# Allegro board 6089-119-RevB_08.brd (continued)
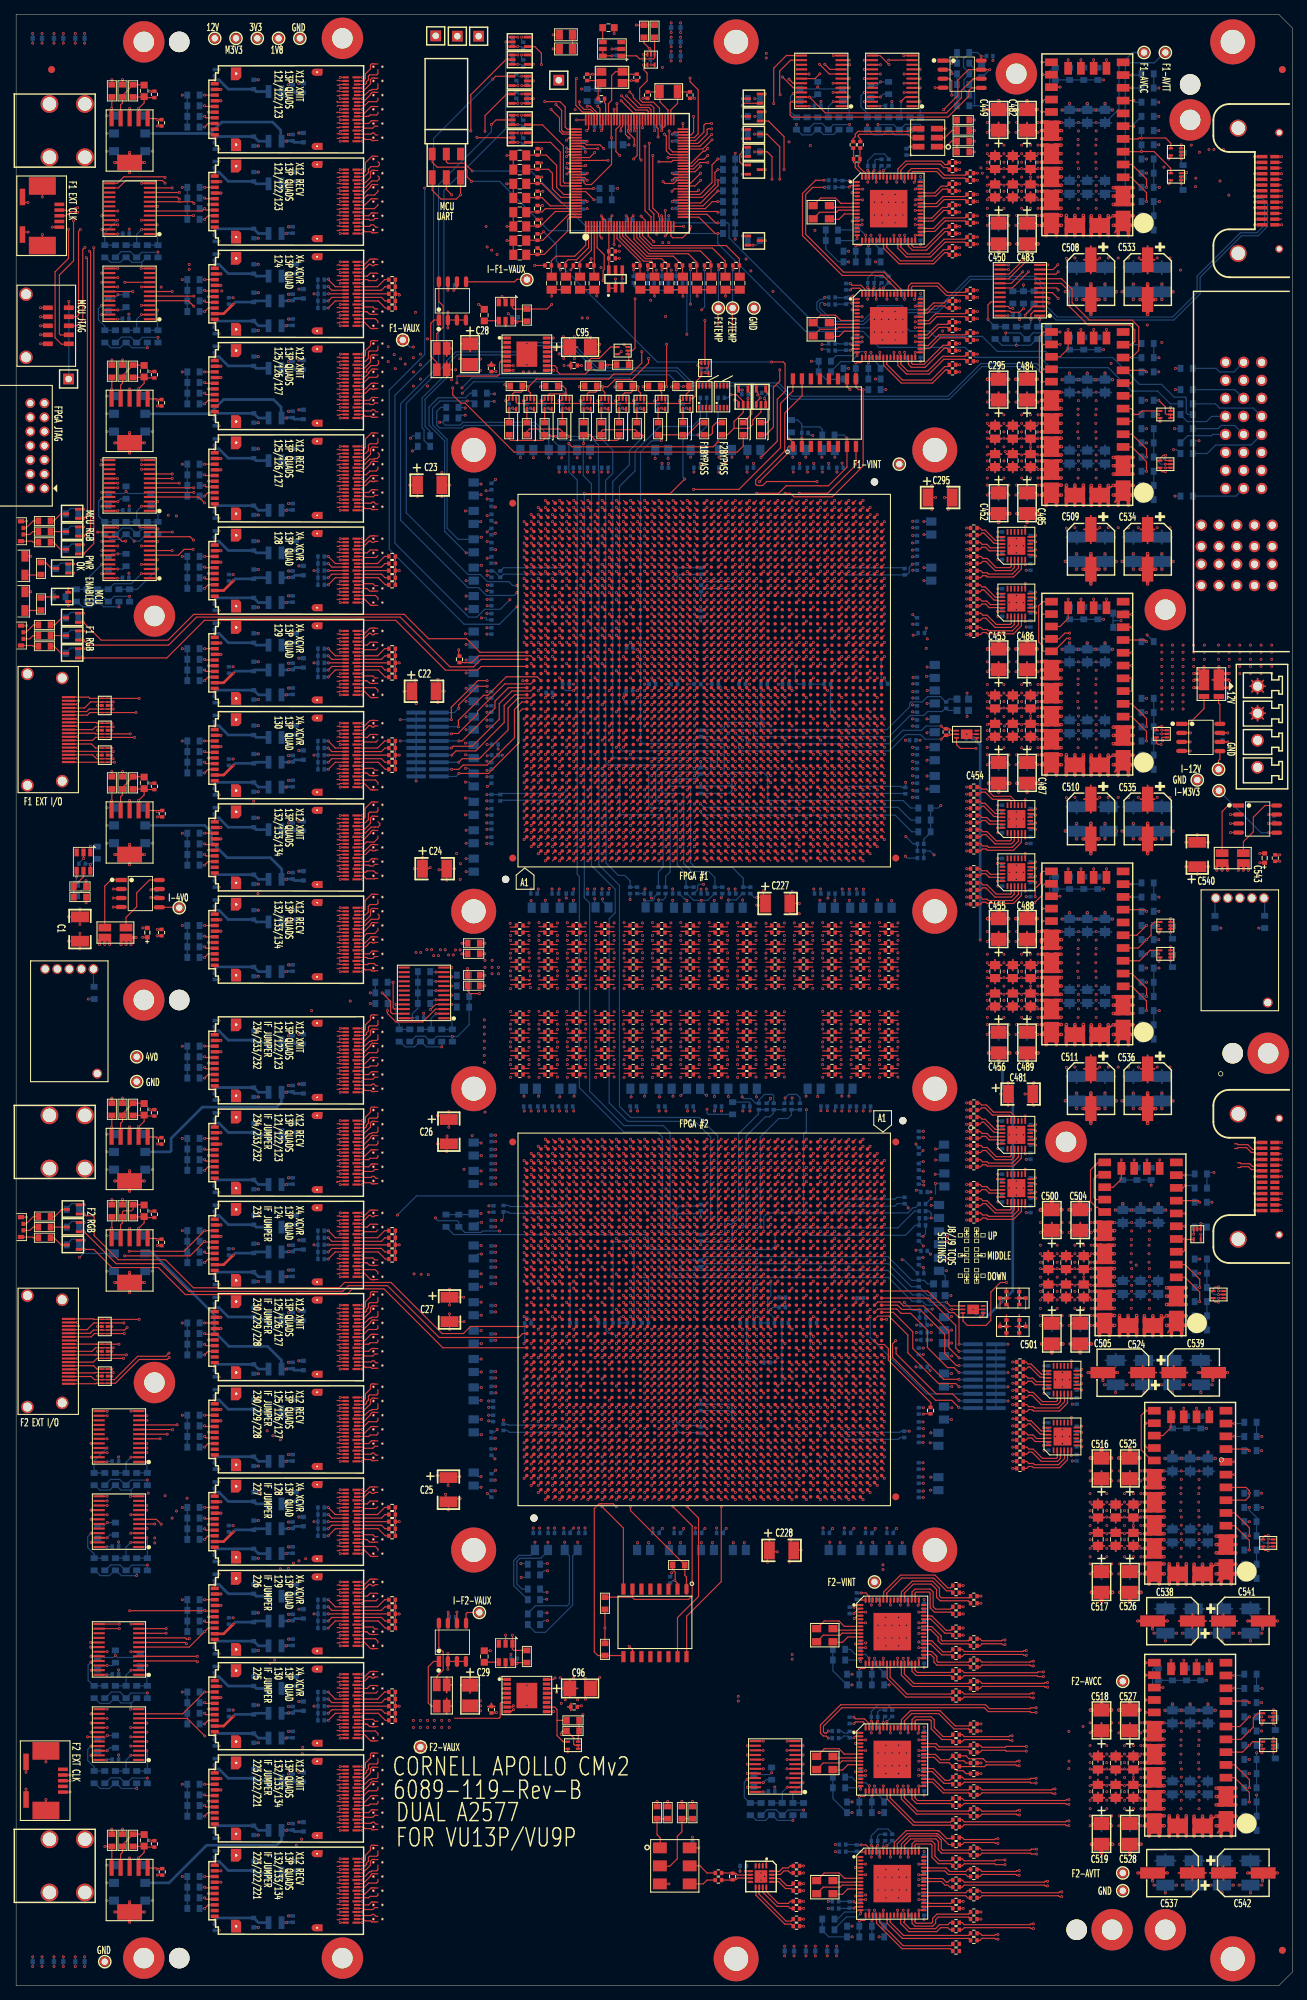
[diagram p0: board, top side]
## Routing (per net, layer and track width the routed paths; a pad name or vN(x,y) marks a point on that pad's centre or on a via; arc(x,y) is an arc through that point) (continued)
/F1_CFG_DONE: length 12.3
  TOP w0.165: U68.62 95.15,260.8 95.5,261.15 v1(95.5,263.4) ; Q13.3 v1(102.4,263.4)
  SIG3 w0.079: v1(95.5,263.4) v1(102.4,263.4)
  BOTTOM w0.165: R402.2 v1(102.4,263.4)
/F1_FF1_RECV_INT: length 24.9
  TOP w0.165: U25.5 26.67,251.8 v1(26.57,251.9) ; v1(25.05,236.65) 24.27,237.43 U15.5
  SIG1 w0.079: v1(26.57,251.9) 26.55,251.9 25.85,251.2 25.85,242.55 24.68,241.38 24.68,237.02 v1(25.05,236.65)
  BOTTOM w0.165: R543.1 v1(26.57,251.9)
/F1_FF1_RECV_PRESENT: length 27.9
  TOP w0.165: 13.2,241.32 v1(12.07,241.32) ; U25.3 v1(26.57,253.4)
  SIG1 w0.079: v1(24.4,242.55) 24.4,251.05 26.57,253.22 v1(26.57,253.4)
  SIG3 w0.079: v1(12.07,241.32) 13.29,242.55 v1(24.4,242.55)
  BOTTOM w0.165: R542.1 v1(26.57,253.4)
/F1_FF1_XMIT_INT: length 35.8
  TOP w0.165: v1(26.57,264.9) 26.67,264.8 U24.5 ; U15.4 v1(17.67,236.78)
  SIG2 w0.079: v1(26.57,264.9) 16.85,255.18 16.85,238.85 16.84,238.84 16.84,237.6 v1(17.67,236.78)
  BOTTOM w0.165: R539.1 v1(26.57,264.9)
/F1_FF1_XMIT_PRESENT: length 32.8
  TOP w0.165: U15.13 v1(14.33,241.97) ; U24.3 v1(26.57,266.4)
  SIG2 w0.079: v1(14.33,241.97) 16.3,243.94 16.3,255.25 16.75,255.7 16.75,256.58 v1(26.57,266.4)
  BOTTOM w0.165: R538.1 v1(26.57,266.4)
/F1_FF2_RECV_INT: length 33.1
  TOP w0.165: v1(26.57,212.9) 26.67,212.8 U28.5 ; U15.7 v1(22,238.72)
  SIG2 w0.079: v1(22,238.72) 22.65,238.07 22.65,216.75 26.5,212.9 v1(26.57,212.9)
  BOTTOM w0.165: R555.1 v1(26.57,212.9)
/F1_FF2_RECV_PRESENT: length 46.6
  TOP w0.165: U28.3 v1(26.57,214.4) ; U15.16 v1(12.07,240.03)
  SIG2 w0.079: v1(26.57,214.4) 27.5,215.33 27.5,237.3 v1(29,238.8)
  SIG3 w0.079: v1(29,238.8) 28.2,239.6 22.55,239.6 21.6,240.55 15.1,240.55 14.55,240 12.09,240 v1(12.07,240.03)
  BOTTOM w0.165: R554.1 v1(26.57,214.4)
/F1_FF2_XMIT_INT: length 21.7
  TOP w0.165: v1(26.57,225.9) 26.67,225.8 U27.5 ; U15.6 v1(25.05,238.07)
  SIG2 w0.079: v1(25.05,238.07) 24.52,237.55 24.52,236.32 25.8,235.05 25.8,226.67 v1(26.57,225.9)
  BOTTOM w0.165: R551.1 v1(26.57,225.9)
/F1_FF2_XMIT_PRESENT: length 29.2
  TOP w0.165: U27.3 v1(26.57,227.4) ; U15.15 v1(14.33,240.68)
  SIG2 w0.079: v1(26.57,227.4) 26.57,234.88 25.5,235.95 25.5,240.75 v1(24.4,241.85)
  SIG3 w0.079: v1(14.33,240.68) 15.01,241.35 23.9,241.35 v1(24.4,241.85)
  BOTTOM w0.165: R550.1 v1(26.57,227.4)
/F1_FF3_RECV_INT: length 107.1
  TOP w0.165: v1(26.57,147.9) 26.67,147.8 U33.5 ; U15.9 v1(15.32,240.03)
  SIG2 w0.079: v1(15.32,240.03) 14,240.03 13.55,239.57 13.55,229.7 14.7,228.55 14.7,216.5 13.75,215.55 13.75,181.36 14.35,180.76 14.35,157.3 23.75,147.9 v1(26.57,147.9)
  BOTTOM w0.165: R575.1 v1(26.57,147.9)
/F1_FF3_RECV_PRESENT: length 100
  TOP w0.165: U33.3 v1(26.57,149.4) ; U15.18 v1(16.45,238.72)
  SIG2 w0.079: v1(26.57,149.4) 26.57,152.33 16.6,162.3 16.6,170.25 15.15,171.7 15.15,203.33 15.08,203.4 15.08,203.7 15.15,203.77 15.15,212.45 16.45,213.75 v1(16.45,238.72)
  BOTTOM w0.165: R574.1 v1(26.57,149.4)
/F1_FF3_XMIT_INT: length 86.4
  TOP w0.165: v1(26.57,160.9) 26.67,160.8 U32.5 ; U15.8 v1(17.67,239.38)
  SIG2 w0.079: v1(26.57,160.9) 20.95,166.52 20.95,179.85 17.38,183.42 17.38,197.53 18.43,198.58 18.43,229.52 18.04,229.91 18.04,239.11 17.77,239.38 v1(17.67,239.38)
  BOTTOM w0.165: R571.1 v1(26.57,160.9)
/F1_FF3_XMIT_PRESENT: length 89.2
  TOP w0.165: U32.3 v1(26.57,162.4) ; U15.17 v1(14.33,239.38)
  SIG2 w0.079: v1(26.57,162.4) 21.7,167.27 21.7,200 20.45,201.25 v1(20.45,239.35)
  SIG3 w0.079: v1(20.45,239.35) 20.11,239.01 17.52,239.01 17.15,239.38 v1(14.33,239.38)
  BOTTOM w0.165: R570.1 v1(26.57,162.4)
/F1_FF4_XCVR_INT: length 46.2
  TOP w0.165: U18.4 v1(17.67,200.28) ; v1(26.57,238.9) 26.67,238.8 U26.5
  SIG1 w0.079: v1(26.57,238.9) 26.57,238.82 26,238.25 26,207.7 18.58,200.28 v1(17.67,200.28)
  BOTTOM w0.165: R547.1 v1(26.57,238.9)
/F1_FF4_XCVR_PRESENT: length 46.3
  TOP w0.165: U26.3 v1(26.57,240.4) ; U18.8 v1(17.67,202.88)
  SIG1 w0.079: v1(17.67,202.88) 17.74,202.8 20.6,202.8 25.55,207.75 25.55,239.45 26.5,240.4 v1(26.57,240.4)
  BOTTOM w0.165: R546.1 v1(26.57,240.4)
/F1_FF5_XCVR_INT: length 10.4
  TOP w0.165: U29.5 26.67,199.8 v1(26.57,199.9) ; U18.5 v1(19.93,200.93)
  SIG3 w0.079: v1(19.93,200.93) 25.55,200.93 v1(26.57,199.9)
  BOTTOM w0.165: R559.1 v1(26.57,199.9)
/F1_FF5_XCVR_PRESENT: length 10.8
  TOP w0.165: U18.9 v1(19.93,203.53) ; U29.3 v1(26.57,201.4)
  SIG3 w0.079: v1(26.57,201.4) 24.45,203.53 v1(19.93,203.53)
  BOTTOM w0.165: R558.1 v1(26.57,201.4)
/F1_FF6_XCVR_INT: length 24.8
  TOP w0.165: v1(24.95,202.4) 23.7,202.4 22.88,201.57 U18.6 ; U30.5 26.67,186.8 v1(26.57,186.9)
  SIG2 w0.079: v1(24.95,202.4) 25.15,202.2 25.15,188.32 v1(26.57,186.9)
  BOTTOM w0.165: R563.1 v1(26.57,186.9)
/F1_FF6_XCVR_PRESENT: length 24.5
  TOP w0.165: U18.10 24.52,204.18 v1(25,203.7) ; U30.3 v1(26.57,188.4)
  SIG2 w0.079: v1(26.57,188.4) 25.45,189.52 25.45,203.25 v1(25,203.7)
  BOTTOM w0.165: R562.1 v1(26.57,188.4)
/F1_FF7_XCVR_INT: length 35.6
  TOP w0.165: v1(26.57,173.9) 26.67,173.8 U31.5 ; U18.7 v1(22,202.22)
  SIG2 w0.079: v1(26.57,173.9) 26.57,173.93 23.08,177.42 23.08,201.14 v1(22,202.22)
  BOTTOM w0.165: R567.1 v1(26.57,173.9)
/F1_FF7_XCVR_PRESENT: length 36.7
  TOP w0.165: 18.8,204.82 v1(22.02,204.82) ; U31.3 v1(26.57,175.4)
  SIG2 w0.079: v1(22.02,204.82) 23.8,203.05 23.8,178.17 v1(26.57,175.4)
  BOTTOM w0.165: R566.1 v1(26.57,175.4)
/F1_FF_RESET: length 143.1
  TOP w0.165: U29.6 v1(27.13,199) ; U30.6 v1(27.13,186) ; U32.6 v1(27.13,160) ; U28.6 v1(27.13,212) ; U24.6 v1(27.13,264) ; U26.6 v1(27.13,238) ; U25.6 v1(27.13,251) ; U33.6 v1(27.13,147) ; U31.6 v1(27.13,173) ; U18.13 v1(14.33,205.47) ; U27.6 v1(27.13,225)
  SIG1 w0.079: v1(27.13,264) v1(27.13,251) v1(27.13,238) v1(27.13,225) v1(27.13,212) v1(27.13,199) v1(27.13,186) v1(27.13,173) v1(27.13,160) v1(27.13,147)
  SIG4 w0.079: v1(14.33,205.47) 16.1,203.71 16.1,202.45 19.55,199 v1(27.13,199)
/F1_INSTALLED: length 153.6
  TOP w0.165: U68.118 81.35,253.2 v1(81.4,253.25) ; U75.Y6 v1(90.61,163.51)
  SIG3 w0.079: v1(81.4,253.25) 57.65,253.25 v1(57.6,253.3)
  SIG4 w0.079: v1(90.61,163.51) 90.59,163.51 90.2,163.9 90.2,176.5 89.7,177 75.35,177 75,177.35 75,193.45 74.65,193.8 71.1,193.8 v1(70.6,194.3)
  BOTTOM w0.165: R454.1 v1(81.4,253.25) ; v1(70.6,194.3) 68.15,191.85 63.15,191.85 52.6,202.4 52.6,224.85 57.6,229.85 v1(57.6,253.3)
/F2_CFG_DONE: length 18.1
  TOP w0.165: U68.71 90.3,261.9 90.5,261.7 v1(90.5,260.5) ; Q12.3 v1(102.4,265.9)
  SIG2 w0.079: v1(90.5,260.5) 93.2,260.5 98.6,265.9 v1(102.4,265.9)
  BOTTOM w0.165: R401.2 v1(102.4,265.9)
/F2_FF1_RECV_INT: length 60.2
  TOP w0.165: U35.5 26.67,117.8 v1(26.57,117.9) ; 17.3,64.42 v1(18.45,64.42)
  SIG1 w0.079: v1(18.45,64.42) 19,64.97 19,67.8 19.85,68.65 19.85,79.85 22.75,82.75 22.75,114.08 v1(26.57,117.9)
  BOTTOM w0.165: R583.1 v1(26.57,117.9)
/F2_FF1_RECV_PRESENT: length 62.9
  TOP w0.165: U10.14 v1(12.83,68.33) ; U35.3 v1(26.57,119.4)
  SIG1 w0.079: v1(26.57,119.4) 26.57,119.22 22.15,114.8 22.15,82.75 19.45,80.05 19.45,70.2 18.65,69.4 18.65,69.42 v1(18.63,69.42)
  SIG3 w0.079: v1(18.63,69.42) 18.65,69.42 18.65,69.4 13.91,69.4 v1(12.83,68.33)
  BOTTOM w0.165: R582.1 v1(26.57,119.4)
/F2_FF1_XMIT_INT: length 75.2
  TOP w0.165: v1(26.57,130.9) 26.67,130.8 U34.5 ; U10.4 v1(16.17,63.77)
  SIG1 w0.079: v1(16.17,63.77) 16.55,64.16 16.55,74.31 16.57,74.32 16.57,74.63 16.55,74.64 16.55,121.7 25.75,130.9 v1(26.57,130.9)
  BOTTOM w0.165: R579.1 v1(26.57,130.9)
/F2_FF1_XMIT_PRESENT: length 72.4
  TOP w0.165: U34.3 v1(26.57,132.4) ; U10.13 v1(12.83,68.97)
  SIG1 w0.079: v1(26.57,132.4) 26.5,132.4 14.45,120.35 14.45,90.87 14.13,90.55 14.13,74.68 14.11,74.65 14.11,74.37 14.13,74.34 14.13,70.28 v1(12.83,68.97)
  BOTTOM w0.165: R578.1 v1(26.57,132.4)
/F2_FF2_RECV_INT: length 22.8
  TOP w0.165: U38.5 26.67,78.8 v1(26.57,78.9) ; 17.3,65.72 19.77,65.72 v1(20.45,65.05)
  SIG1 w0.079: v1(26.57,78.9) 26.55,78.9 26.05,78.4 26.05,69.3 22,65.25 20.65,65.25 v1(20.45,65.05)
  BOTTOM w0.165: R595.1 v1(26.57,78.9)
/F2_FF2_RECV_PRESENT: length 30.2
  TOP w0.165: U38.3 v1(26.57,80.4) ; U10.16 v1(10.57,67.03)
  SIG1 w0.079: v1(24.1,68.7) 25.35,69.95 25.35,79.18 v1(26.57,80.4)
  SIG3 w0.079: v1(10.57,67.03) 12.93,67.03 13.25,67.35 17.1,67.35 18.15,68.4 23.8,68.4 v1(24.1,68.7)
  BOTTOM w0.165: R594.1 v1(26.57,80.4)
/F2_FF2_XMIT_INT: length 34.2
  TOP w0.165: v1(26.57,91.9) 26.67,91.8 U37.5 ; U10.6 v1(19.55,65.08)
  SIG1 w0.079: v1(19.55,65.08) 24.7,70.22 24.7,79.1 26.05,80.45 26.05,91.38 v1(26.57,91.9)
  BOTTOM w0.165: R591.1 v1(26.57,91.9)
/F2_FF2_XMIT_PRESENT: length 38.7
  TOP w0.165: U10.15 v1(12.83,67.67) ; U37.3 v1(26.57,93.4)
  SIG1 w0.079: v1(21,69.05) 22.56,70.61 22.56,77.81 25.6,80.85 25.6,92.4 26.57,93.37 v1(26.57,93.4)
  SIG3 w0.079: v1(21,69.05) 16.95,69.05 15.57,67.67 v1(12.83,67.67)
  BOTTOM w0.165: R590.1 v1(26.57,93.4)
/F2_FF3_RECV_INT: length 60.6
  TOP w0.165: U43.5 26.67,13.8 v1(26.57,13.9) ; U10.9 v1(18.43,67.03)
  SIG2 w0.079: v1(26.57,13.9) 17.5,22.97 17.5,66.09 v1(18.43,67.03)
  BOTTOM w0.165: R615.1 v1(26.57,13.9)
/F2_FF3_RECV_PRESENT: length 64.9
  TOP w0.165: 11.7,65.72 v1(10.57,65.72) ; U43.3 v1(26.57,15.4)
  SIG2 w0.079: v1(19.55,63.1) 21,61.65 21,52.05 19.85,50.9 19.85,26.2 26.57,19.48 v1(26.57,15.4)
  SIG3 w0.079: v1(19.55,63.1) 19.05,63.6 17.5,63.6 15.38,65.72 v1(10.57,65.72)
  BOTTOM w0.165: R614.1 v1(26.57,15.4)
/F2_FF3_XMIT_INT: length 52.3
  TOP w0.165: U42.5 26.67,26.8 v1(26.57,26.9) ; U10.8 v1(16.17,66.38)
  SIG2 w0.079: v1(26.57,26.9) 23.05,26.9 22,27.95 v1(22,65.9)
  SIG3 w0.079: v1(22,65.9) 16.64,65.9 v1(16.17,66.38)
  BOTTOM w0.165: R611.1 v1(26.57,26.9)
/F2_FF3_XMIT_PRESENT: length 54.8
  TOP w0.165: U10.17 v1(12.83,66.38) ; U42.3 v1(26.57,28.4)
  SIG2 w0.079: v1(22.6,66.9) 23,66.5 23,30 24.6,28.4 v1(26.57,28.4)
  SIG3 w0.079: v1(12.83,66.38) 13.31,66.85 16.55,66.85 16.85,66.55 18.65,66.55 19,66.9 v1(22.6,66.9)
  BOTTOM w0.165: R610.1 v1(26.57,28.4)
/F2_FF4_XCVR_INT: length 85.6
  TOP w0.165: U36.5 26.67,104.8 v1(26.57,104.9) 24.52,102.85 v1(15.3,102.85) ; U12.4 v1(16.17,33.77)
  SIG2 w0.079: v1(16.17,33.77) 16.03,33.77 15.31,34.5 15.31,50.51 14.92,50.9 14.92,51.13 14.75,51.3 14.75,62.35 14.79,62.39 14.79,62.68 14.75,62.72 14.75,74.32 14.79,74.37 14.79,74.65 14.75,74.69 14.75,90.13 14.87,90.25 14.87,90.55 14.75,90.67 14.75,102.3 v1(15.3,102.85)
  BOTTOM w0.165: R587.1 v1(26.57,104.9)
/F2_FF4_XCVR_PRESENT: length 82.9
  TOP w0.165: U12.8 v1(16.17,36.38) ; U36.3 v1(26.57,106.4) 23.67,103.5 v1(15.95,103.5)
  SIG2 w0.079: v1(15.95,103.5) 16.57,102.88 arc(16.59,102.85) 16.6,102.81 16.6,57.44 arc(16.61,57.4) 16.63,57.37 16.85,57.15 16.85,38 16.17,37.32 v1(16.17,36.38)
  BOTTOM w0.165: R586.1 v1(26.57,106.4)
/F2_FF5_XCVR_INT: length 40.3
  TOP w0.165: U39.5 26.67,65.8 v1(26.57,65.9) ; U12.5 v1(18.43,34.42)
  SIG2 w0.079: v1(18.43,34.42) 18.43,34.93 19.55,36.05 v1(19.55,62.4)
  SIG3 w0.079: v1(26.57,65.9) 26.57,65.77 23.2,62.4 v1(19.55,62.4)
  BOTTOM w0.165: R599.1 v1(26.57,65.9)
/F2_FF5_XCVR_PRESENT: length 43.2
  TOP w0.165: U39.3 v1(26.57,67.4) ; U12.9 v1(18.43,37.02)
  SIG2 w0.079: v1(18.43,67.65) 18.79,67.29 18.79,67.18 18.8,67.18 18.8,66.87 18.79,66.87 18.79,66.44 17.85,65.5 17.85,38.25 18.43,37.67 v1(18.43,37.02)
  SIG3 w0.079: v1(18.43,67.65) 18.4,67.65 18.65,67.9 26.07,67.9 v1(26.57,67.4)
  BOTTOM w0.165: R598.1 v1(26.57,67.4)
/F2_FF6_XCVR_INT: length 32
  TOP w0.165: v1(16,52.85) 26.52,52.85 v1(26.57,52.9) 26.67,52.8 U40.5 ; 17.3,35.08 v1(16.17,35.08)
  SIG2 w0.079: v1(16,52.85) 15.75,52.6 15.75,35.8 16.17,35.38 v1(16.17,35.08)
  BOTTOM w0.165: R603.1 v1(26.57,52.9)
/F2_FF6_XCVR_PRESENT: length 32.5
  TOP w0.165: U40.3 v1(26.57,54.4) ; U12.10 24.12,37.67 v1(26.6,35.2)
  SIG2 w0.079: v1(26.6,35.2) 27.6,36.2 27.6,53.37 v1(26.57,54.4)
  BOTTOM w0.165: R602.1 v1(26.57,54.4)
/F2_FF7_XCVR_INT: length 13.2
  TOP w0.165: U12.7 v1(18.43,35.73) ; U41.5 26.67,39.8 v1(26.57,39.9)
  SIG4 w0.079: v1(26.57,39.9) 22.61,39.9 v1(18.43,35.73)
  BOTTOM w0.165: R607.1 v1(26.57,39.9)
/F2_FF7_XCVR_PRESENT: length 12.7
  TOP w0.165: U12.11 23.5,38.33 v1(26.57,41.4) U41.3
  BOTTOM w0.165: R606.1 v1(26.57,41.4)
/F2_FF_RESET: length 141.6
  TOP w0.165: U34.6 v1(27.13,130) ; U38.6 v1(27.13,78) ; U39.6 v1(27.13,65) ; U40.6 v1(27.13,52) ; U41.6 v1(27.13,39) ; U42.6 v1(27.13,26) ; U37.6 v1(27.13,91) ; U36.6 v1(27.13,104) ; U35.6 v1(27.13,117) ; U43.6 v1(27.13,13) ; U12.13 v1(12.83,38.98)
  SIG1 w0.079: v1(27.13,130) v1(27.13,117) v1(27.13,104) v1(27.13,91) v1(27.13,78) v1(27.13,65) v1(27.13,52) v1(27.13,39) v1(27.13,26) v1(27.13,13)
  SIG3 w0.079: v1(12.83,38.98) 13.36,39.5 26.63,39.5 v1(27.13,39)
/F2_INSTALLED: length 235.5
  TOP w0.165: U68.119 80.3,252.8 v1(81.45,251.65) ; U77.Y6 v1(103.39,114.29)
  PWR4 w0.152: v1(82.45,242.1) 81.65,241.3 75.4,241.3 74.95,241.75 72.65,241.75 72.3,242.1 56.5,242.1 51.68,237.28 48.48,237.28 46.2,235 46.2,233.75 44.75,232.3 41.85,232.3 40.9,231.35 40.9,124.57 42.15,123.32 42.72,123.32 42.75,123.3 44.6,123.3 45.4,122.5 52.45,122.5 59.9,115.05 v1(63.14,115.05)
  SIG3 w0.079: v1(103.39,114.29) 103.39,114.31 102.85,114.85 68.75,114.85 68.2,115.4 63.5,115.4 63.15,115.05 v1(63.14,115.05)
  SIG4 w0.079: v1(81.45,251.65) 81.45,244.65 82.45,243.65 v1(82.45,242.1)
  BOTTOM w0.165: R455.1 v1(81.45,251.65)
/I2C_RESET_CLOCKS: length 55.3
  TOP w0.165: U68.6 82.3,246.5 v1(82.55,246.25) ; U84.3 v1(117.43,266.12)
  SIG1 w0.079: v1(112.6,247.35) 90.1,247.35 89,246.25 v1(82.55,246.25)
  SIG2 w0.079: v1(117.43,266.12) 112.6,261.29 v1(112.6,247.35)
  BOTTOM w0.165: R357.1 116.84,265.54 v1(117.43,266.12)
/I2C_RESET_F1_OPTICS: length 129.9
  TOP w0.165: U14.3 v1(19.88,248.12) ; U68.27 90.7,249.15 90.55,249.3 90.55,249.7 89.75,250.5 v1(89.75,257.9) ; U17.3 v1(19.93,209.12)
  SIG1 w0.079: v1(19.88,248.12) 19.25,247.5 19.25,220.35 19.93,219.67 v1(19.93,209.12)
  SIG3 w0.079: v1(19.88,248.12) 27.23,248.12 37.1,258 47.95,258 48.85,258.9 70.5,258.9 71.15,259.55 79.58,259.55 80.38,258.75 80.41,258.75 80.63,258.53 80.63,258.49 82.73,256.39 88.24,256.39 v1(89.75,257.9)
  BOTTOM w0.165: R621.1 19.34,208.54 v1(19.93,209.12)
/I2C_RESET_F2_OPTICS: length 268.8
  TOP w0.165: U11.3 v1(18.43,45.12) ; U9.3 v1(18.43,75.12) ; U68.11 v1(84.3,245.35)
  SIG1 w0.079: v1(35.4,78.2) 34.65,78.95 34.65,240.35 39.3,245 v1(66.4,245)
  SIG2 w0.079: v1(18.43,75.12) 19.15,74.4 19.15,46.4 18.43,45.68 v1(18.43,45.12)
  SIG3 w0.079: v1(35.4,78.2) 28,78.2 24.93,75.12 v1(18.43,75.12) ; v1(84.3,245.35) 66.75,245.35 v1(66.4,245)
  BOTTOM w0.165: R629.1 18.34,45.04 v1(18.43,45.12)
/I2C_RESET_FPGAS: length 172.3
  TOP w0.165: U44.3 59.12,137.62 57.3,135.8 53.55,135.8 52.35,137 v1(52.35,137.4) ; U68.29 v1(91.5,250.15)
  PWR3 w0.152: v1(91.55,235.2) 91.55,243.4 92.55,244.4 92.55,249.6 92,250.15 v1(91.5,250.15)
  PWR4 w0.152: v1(52.35,137.4) 51.65,137.4 47.65,141.4 47.65,233.4 48.95,234.7 70.36,234.7 70.44,234.78 70.76,234.78 70.79,234.75 78.3,234.75 79.15,235.6 91.15,235.6 v1(91.55,235.2)
  BOTTOM w0.165: v1(52.35,137.4) 52.35,138.39 R497.1
/I2C_RESET_PWR: length 75.7
  TOP w0.165: U68.5 81.9,244.9 82.9,243.9 82.9,241.85 82.75,241.7 v1(82.75,240.25) ; U102.3 143.38,236.62 142.25,235.5 v1(142.25,235.35)
  SIG3 w0.079: v1(82.75,240.25) 82.75,240.1 84.1,238.75 104.25,238.75 108.95,234.05 132.83,234.05 132.85,234.03 133.16,234.03 133.18,234.05 139.6,234.05 140.9,235.35 v1(142.25,235.35)
  BOTTOM w0.165: v1(142.25,235.35) 143.05,236.15 143.05,236.59 R269.1
/SYN_R0A_INT: length 33.8
  TOP w0.165: U88.8 v1(125.17,269.38) ; U86.12 v1(117.84,248.65)
  SIG4 w0.079: v1(117.84,248.65) 116.1,250.39 116.1,266.7 117.95,268.55 117.95,269.05 120.8,271.9 123.65,271.9 125.17,270.38 v1(125.17,269.38)
/SYN_R0A_RESET: length 25.4
  TOP w0.165: v1(119.31,251.64) 119.26,251.64 119.26,251.65 U86.6 ; v1(123,271.33) 123,271.33 123,271.32 U88.11
  SIG2 w0.079: v1(123,271.33) 123,271.33 121.98,270.31 121.86,270.31 120.55,269 120.55,252.87 v1(119.31,251.64)
/SYN_R0B_INT: length 43.7
  TOP w0.165: U88.9 v1(127.43,270.02) ; U87.12 v1(117.84,232.15)
  SIG4 w0.079: v1(117.84,232.15) 120.5,234.81 120.5,236 125.75,241.25 125.75,258.94 125.7,258.99 125.7,268.2 127.43,269.93 v1(127.43,270.02)
/SYN_R0B_RESET: length 42
  TOP w0.165: 120.7,271.98 121.78,271.98 v1(123.05,270.7) ; U87.6 v1(119.26,235.15)
  SIG4 w0.079: v1(123.05,270.7) 122.6,270.7 120.9,269 120.9,256.26 120.58,255.95 120.58,253.42 121.41,252.59 121.41,245.06 118.89,242.54 118.89,235.52 v1(119.26,235.15)
/SYN_R1A_INT: length 25.7
  TOP w0.165: U91.12 v1(118.34,12.65) ; U83.8 v1(108.67,31.88)
  SIG1 w0.079: v1(108.67,31.88) 109.4,31.14 109.4,27 119.15,17.25 119.15,13.46 v1(118.34,12.65)
/SYN_R1A_RESET: length 24
  TOP w0.165: U91.6 v1(119.76,15.65) ; U83.11 v1(110.93,33.83)
  SIG1 w0.079: v1(119.76,15.65) 120.13,16.02 120.13,24.63 v1(110.93,33.83)
/SYN_R1B_INT: length 10.2
  TOP w0.165: U83.9 v1(110.93,32.52) ; U90.12 v1(118.34,30.15)
  SIG3 w0.079: v1(110.93,32.52) 110.96,32.5 112.85,32.5 115.2,30.15 v1(118.34,30.15)
/SYN_R1B_RESET: length 16.8
  TOP w0.165: U83.13 v1(105.33,34.48) ; U90.6 v1(119.76,33.15)
  SIG4 w0.079: v1(119.76,33.15) 109.4,33.15 108.95,33.6 106.21,33.6 v1(105.33,34.48)
/SYN_R1C_INT: length 20.8
  TOP w0.165: U89.12 v1(118.34,48.15) ; U83.10 v1(108.67,33.17)
  SIG2 w0.079: v1(118.34,48.15) 110.2,40.01 110.2,34.71 v1(108.67,33.17)
/SYN_R1C_RESET: length 32.7
  TOP w0.165: U89.6 v1(119.76,51.15) ; U83.14 v1(103.1,33.83)
  SIG2 w0.079: v1(119.76,51.15) 120.3,51.69 120.3,53.15 119.73,53.72 117.95,53.72 103.1,38.86 103.1,33.83 v1(103.1,33.83)
AC_NF1_TCDS40_CLK: length 183
  TOP w0.165: v1(141.45,24.07) 141.11,24.07 140.99,24.19 136.15,24.19 135.86,23.9 C430.2 ; U75.AR16 v1(106.39,173.51)
  SIG2 w0.083: v1(106.39,173.51) 106.39,173.82 106.31,173.9 106.19,173.9 105.96,173.67 105.96,171.76 105.97,171.75 105.97,163.37 106.19,163.16 110.22,163.16 110.24,163.14 110.55,163.14 110.57,163.16 112.22,163.16 112.24,163.14 112.55,163.14 112.57,163.16 123.64,163.16 132.8,154 132.8,129.85 134.76,127.89 134.76,95.86 134.5,95.6 134.5,68.9 142,61.4 142,28.95 142.08,28.87 142.08,24.5 141.88,24.3 141.68,24.3 v1(141.45,24.07)
AC_NF1_TCDS_RECOV_CLK: length 3.4
  TOP w0.165: U90.2 118.36,35.15 118.33,35.18 v1(118.11,34.95)
  BOTTOM w0.165: v1(118.11,34.95) R352.2 117.26,35.19 116.65,35.19 116.36,34.9 C842.2
AC_NF1_XTAL_200: length 216
  TOP w0.165: C229.2 v1(111.01,16.9) ; U75.AU16 v1(108.39,173.51)
  SIG2 w0.083: v1(111.01,16.9) 111.01,16.71 110.75,16.45 110.21,16.45 110,16.24 110,14.26 110.44,13.82 111.25,13.82 111.48,14.05 126.55,14.05 127.01,13.59 132.84,13.59 143,23.75 143,62.8 135.5,70.3 135.5,128.55 133.55,130.5 133.55,154.6 124.01,164.14 108.16,164.14 108.01,164.29 108.01,173.36 108.16,173.51 v1(108.39,173.51)
AC_NF1L_R0_AB: length 223.5
  TOP w0.165: U75.BD40 v1(115.39,198.29) ; C440.2 135.86,6.4 136.15,6.69 137.94,6.69 138.06,6.57 v1(138.4,6.57)
  SIG1 w0.083: v1(115.39,198.29) 115.39,197.98 115.47,197.9 115.68,197.9 115.95,197.62 115.95,197.15 116.23,196.87 125.18,196.87 134.65,187.4 134.65,160.35 140.95,154.05 140.95,152.66 142.31,151.3 142.31,135.14 143.06,134.39 143.06,97.39 144.05,96.39 144.05,73.5 151,66.55 151,14.45 143.35,6.8 138.63,6.8 v1(138.4,6.57)
AC_NF1L_R0_AD: length 27.7
  TOP w0.165: U75.AY40 v1(111.39,198.29) ; C371.2 v1(133.99,199.4)
  SIG3 w0.083: v1(133.99,199.4) 133.65,199.06 133.29,199.06 131.45,200.9 112.05,200.9 111.75,200.6 111.75,198.06 111.59,197.9 111.47,197.9 111.39,197.98 v1(111.39,198.29)
AC_NF1L_R0_AF: length 28.9
  TOP w0.165: C373.2 v1(133.99,197.4) ; U75.AT40 v1(107.39,198.29)
  SIG3 w0.083: v1(107.39,198.29) 107.39,197.98 107.47,197.9 107.68,197.9 108.05,197.52 108.05,197.44 108.05,197.43 108.05,197.15 108.29,196.9 132.95,196.9 133.11,197.06 133.65,197.06 v1(133.99,197.4)
AC_NF1L_R0_R: length 36.3
  TOP w0.165: C369.2 v1(133.99,201.4) ; U75.AM40 v1(103.39,198.29)
  SIG3 w0.083: v1(103.39,198.29) 103.39,197.98 103.47,197.9 103.59,197.9 103.74,198.05 103.74,201.59 104.06,201.91 132.19,201.91 133.05,201.05 133.64,201.05 v1(133.99,201.4)
AC_NF1L_R0_U: length 48.1
  TOP w0.165: U75.AA42 v1(91.61,200.29) ; C375.2 v1(133.99,195.4)
  SIG3 w0.083: v1(133.99,195.4) 133.54,194.95 133.1,194.95 132.15,195.9 92.4,195.9 92.21,196.09 92.21,199.58 91.89,199.9 91.69,199.9 91.61,199.98 v1(91.61,200.29)
AC_NF1L_R0_V: length 51.5
  TOP w0.165: U75.W42 v1(89.61,200.29) ; C377.2 v1(133.99,193.4)
  SIG3 w0.083: v1(133.99,193.4) 133.54,192.95 133.3,192.95 131.35,194.9 90.4,194.9 90.2,195.1 90.2,199.59 89.89,199.9 89.69,199.9 89.61,199.98 v1(89.61,200.29)
AC_NF1L_R0_Y: length 54.8
  TOP w0.165: U75.N42 v1(83.61,200.29) ; C367.2 v1(133.99,203.4)
  SIG3 w0.083: v1(133.99,203.4) 133.6,203 133.26,203 133.1,202.85 85.21,202.85 85,202.64 85,200.1 84.8,199.9 83.69,199.9 83.61,199.98 v1(83.61,200.29)
AC_NF1L_R1_AB: length 215.3
  TOP w0.165: v1(148.4,22.57) 148.06,22.57 147.94,22.69 133.65,22.69 133.36,22.4 C336.2 ; U75.BC42 v1(114.39,200.29)
  SIG1 w0.083: v1(148.4,22.57) 148.63,22.8 148.83,22.8 150,23.97 150,66.15 142.56,73.59 142.56,92.93 142.86,93.23 142.86,96.04 140.62,98.28 140.62,133.89 140.6,133.91 140.6,134.19 140.62,134.21 140.62,144.77 139.45,145.94 139.45,152.8 132.61,159.64 132.61,187.94 124.65,195.9 115.25,195.9 115,196.15 115,199.57 114.68,199.9 114.47,199.9 114.39,199.98 v1(114.39,200.29)
AC_NF1L_R1_AD: length 216.2
  TOP w0.165: U75.AW42 v1(110.39,200.29) ; v1(148.4,25.57) 148.06,25.57 147.94,25.69 133.65,25.69 133.36,25.4 C334.2
  SIG1 w0.083: v1(148.4,25.57) 148.63,25.8 148.83,25.8 149.03,26 149.03,28.47 149,28.5 149,65.5 141.45,73.05 141.45,75.76 140.73,76.48 140.07,76.48 137.6,78.95 137.6,122.45 138.13,122.98 138.13,152.22 134.32,156.03 133.62,156.03 131.15,158.5 131.15,187.9 124.15,194.9 122.75,194.9 122.73,194.92 111.24,194.92 110.95,195.21 110.95,199.62 110.68,199.9 110.47,199.9 110.39,199.98 v1(110.39,200.29)
AC_NF1L_R1_AF: length 228.1
  TOP w0.165: U75.AR42 v1(106.39,200.29) ; v1(147.4,12.57) 147.06,12.57 146.94,12.69 136.15,12.69 135.86,12.4 C436.2
  SIG1 w0.083: v1(147.4,12.57) 147.63,12.8 147.83,12.8 148.03,13 148.03,21.32 148,21.35 148,64.8 136.5,76.3 136.5,151.75 134.22,154.03 133.84,154.03 130,157.87 130,187.7 123.8,193.9 107.25,193.9 107,194.15 107,199.57 106.68,199.9 106.47,199.9 106.39,199.98 v1(106.39,200.29)
AC_NF1L_R1_R: length 215.8
  TOP w0.165: C428.2 135.86,26.9 136.15,27.19 145.99,27.19 146.11,27.07 v1(146.45,27.07) ; U75.AL42 v1(102.39,200.29)
  SIG1 w0.083: v1(146.45,27.07) 146.68,27.3 146.88,27.3 147.08,27.5 147.08,28.42 147,28.5 147,64.35 135.5,75.85 135.5,150.35 129.05,156.79 129.05,159.49 129.2,159.64 129.2,187 123.3,192.9 103.25,192.9 103,193.15 103,199.57 102.68,199.9 102.47,199.9 102.39,199.98 v1(102.39,200.29)
AC_NF1L_R1_U: length 239.4
  TOP w0.165: U75.Y40 v1(90.61,198.29) ; v1(145.4,14.07) 145.06,14.07 144.94,14.19 133.65,14.19 133.36,13.9 C342.2
  SIG1 w0.083: v1(145.4,14.07) 145.63,14.3 145.83,14.3 146.03,14.5 146.03,20.97 146,21 146,63.75 134.5,75.25 134.5,106.4 133.5,107.4 133.5,150.9 128,156.4 128,187 123.13,191.87 91.48,191.87 91.2,192.15 91.2,197.59 90.89,197.9 90.69,197.9 90.61,197.98 v1(90.61,198.29)
AC_NF1L_R1_Y: length 232.6
  TOP w0.165: v1(143.79,28.57) 143.06,28.57 142.94,28.69 133.65,28.69 133.36,28.4 C332.2 ; U75.M40 v1(82.61,198.29)
  SIG1 w0.083: v1(82.61,198.29) 82.61,197.98 82.69,197.9 82.89,197.9 83.2,197.59 83.2,191.1 83.43,190.87 122.89,190.87 127.1,186.66 127.1,175.66 127.09,175.64 127.09,175.36 127.1,175.34 127.1,135.4 132.5,130 132.5,106.9 133.5,105.9 133.5,74.3 145,62.8 145,44.88 145.41,44.47 145.41,43.33 145,42.92 145,29.97 144.16,29.13 144.16,29.08 143.95,28.86 144.11,28.7 144.11,28.44 143.92,28.25 143.66,28.25 143.47,28.44 143.47,28.57 v1(143.79,28.57)
AC_NF1L_X4_R0_CLK: length 53.1
  TOP w0.165: U75.M32 v1(82.61,190.29) ; C379.2 v1(133.99,191.4)
  SIG3 w0.083: v1(82.61,190.29) 82.92,190.29 83,190.37 83,190.65 83.22,190.87 133.47,190.87 133.54,190.95 v1(133.99,191.4)
AC_NF1L_X4_R0A: length 63.4
  TOP w0.165: C354.2 v1(135.51,248.4) ; v1(143.68,194.35) 143.61,194.35 143.41,194.15 U97.8
  SIG1 w0.083: v1(135.51,248.4) 135.51,248.71 135.59,248.8 135.71,248.8 135.75,248.75 137.2,248.75 137.55,248.4 137.55,247.05 140.99,243.61 140.99,235.71 141.59,235.11 141.59,235.11 141.8,234.91 143.34,233.36 143.34,221.5 143.35,221.49 143.35,221.21 143.34,221.2 143.34,217 143.35,216.99 143.35,216.71 143.34,216.7 143.34,212.6 143.35,212.59 143.35,212.31 143.34,212.3 143.34,208.76 145.09,207.01 145.09,194.64 144.47,194.02 143.9,194.02 143.84,194.01 143.78,194.01 143.69,194.09 v1(143.68,194.35)
  BOTTOM w0.165: R273.1 v1(143.68,194.35)
AC_NF1L_X4_R0B: length 50.4
  TOP w0.165: v1(143.68,196.35) 143.61,196.35 143.41,196.15 U97.12 ; C310.2 v1(133.01,233.4)
  SIG4 w0.083: v1(133.01,233.4) 133.01,233.68 132.9,233.79 132.34,233.79 132.11,233.56 132.11,233.14 132.54,232.71 133.26,232.71 134.31,233.76 135.59,233.76 139.21,230.14 139.21,227.21 138.61,226.61 138.61,212.44 139.1,211.95 139.1,199.45 142.55,196 143.6,196 143.68,196.09 v1(143.68,196.35)
  BOTTOM w0.165: R272.1 v1(143.68,196.35)
AC_NF1L_X12_R0_CLK: length 68.9
  TOP w0.165: C365.2 v1(133.99,205.4) ; U75.P34 v1(84.61,192.29)